# Altium PCB FPGA Board V1.PcbDoc (part 1 of 2)
Units mil, origin at the board's own origin, x right, y up, seen from the top; angles counter-clockwise.
Board outline 3460 x 2420 mil, 8 copper layers (Layer 1, Layer 2, Layer 3, Layer 4, Layer 5, Layer 6, Layer 7, Layer 8), stack 29.79 mil thick; 231 components, 352 nets, 1474 pads, 63 vias.
Unrouted connection lines stored in the file: 925.
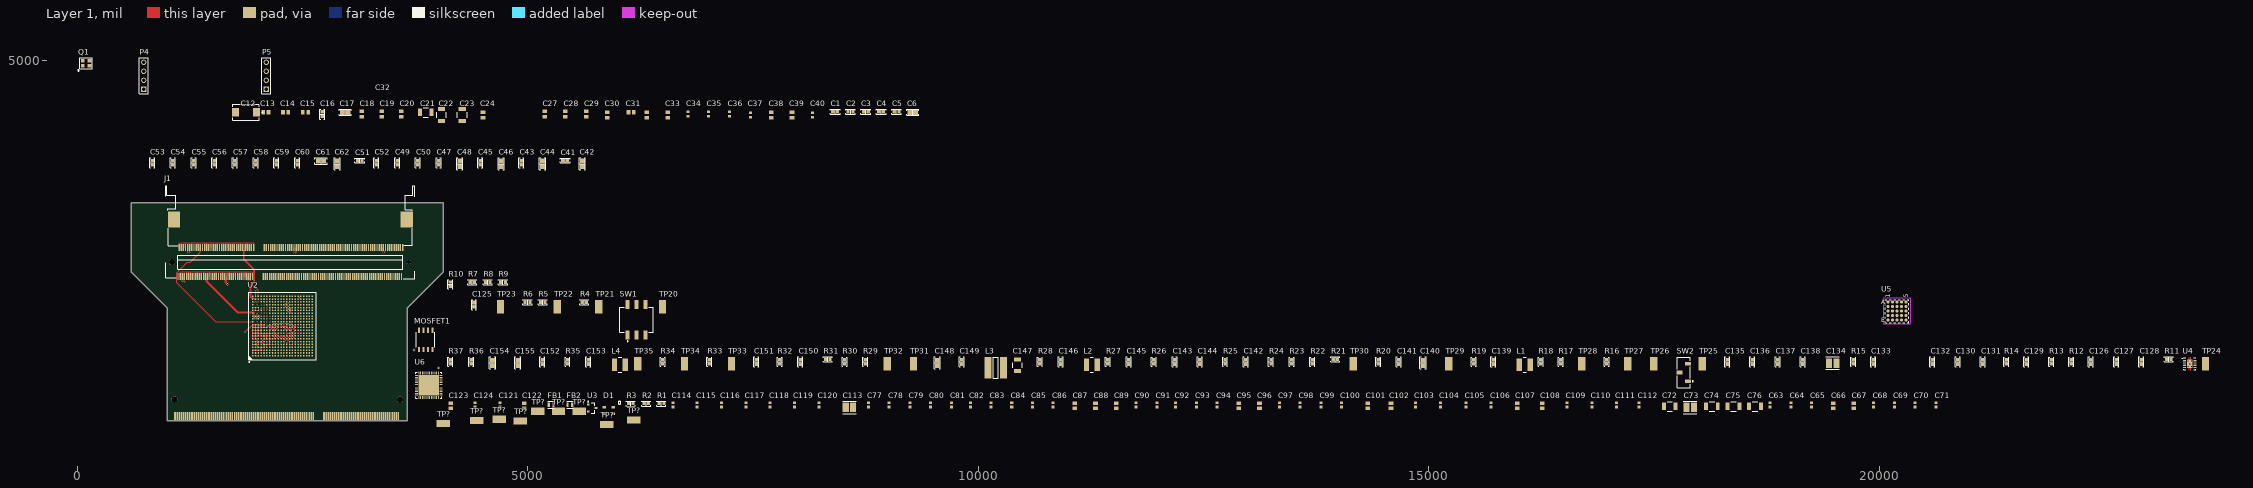
[diagram p0: Layer 1 view]
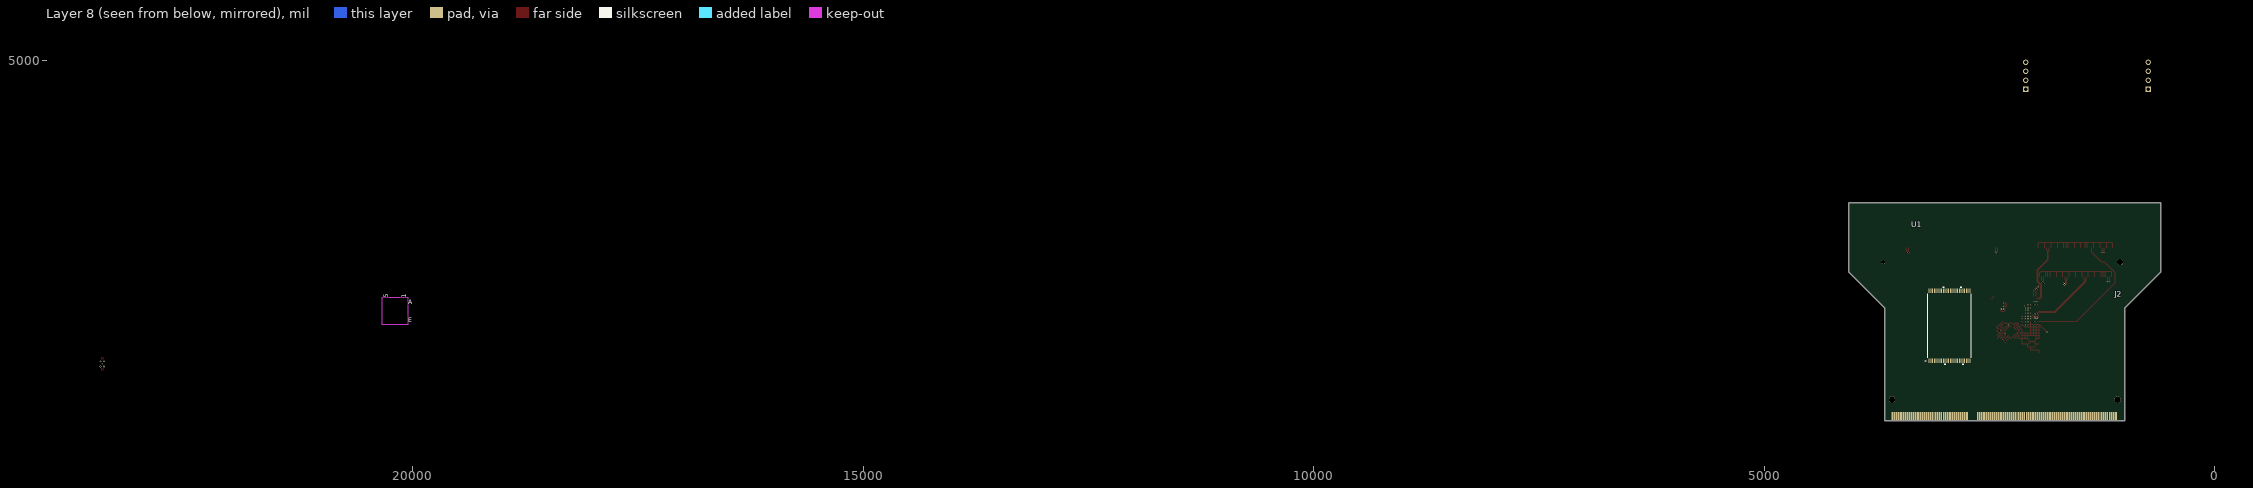
[diagram p1: Layer 8 view, seen from below]
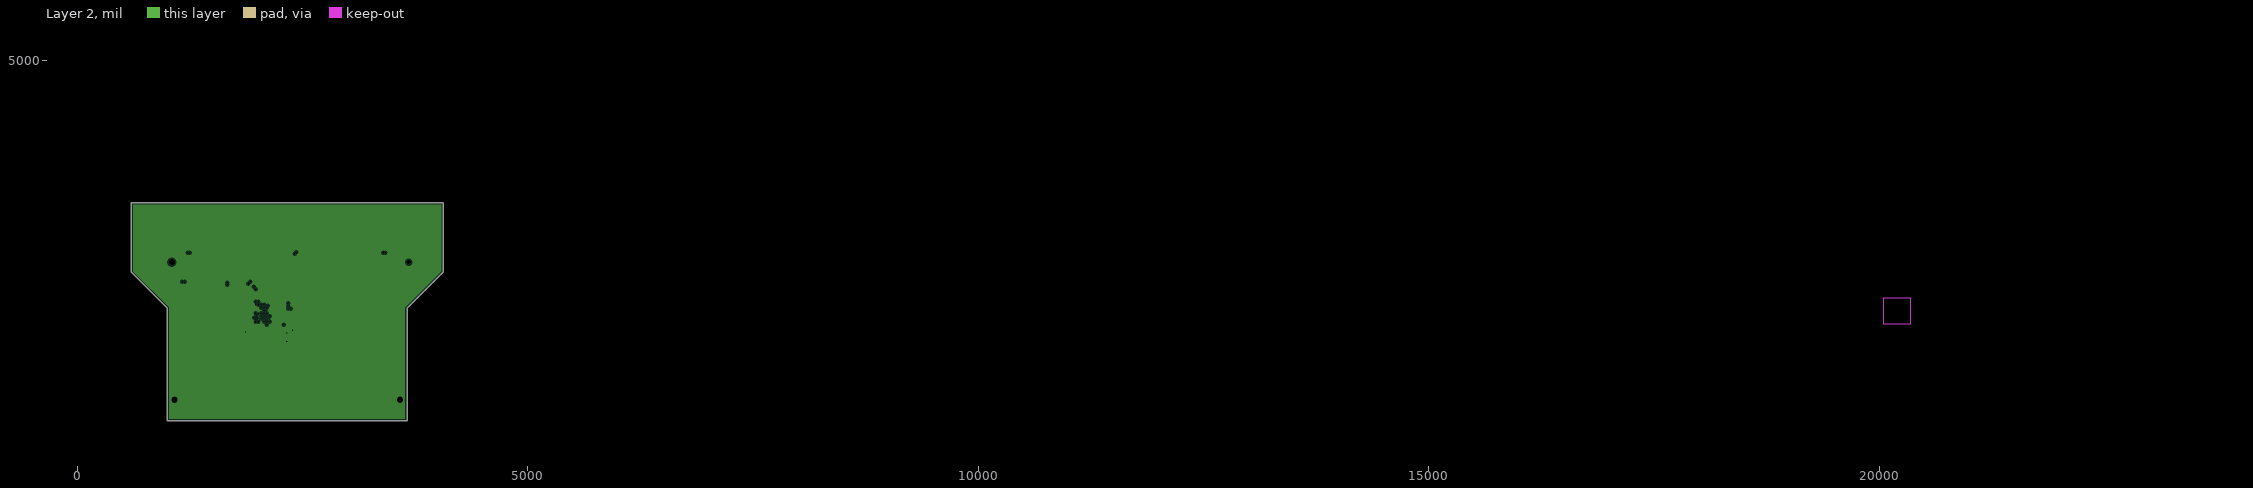
[diagram p2: Layer 2, clearances drawn from the general rule]
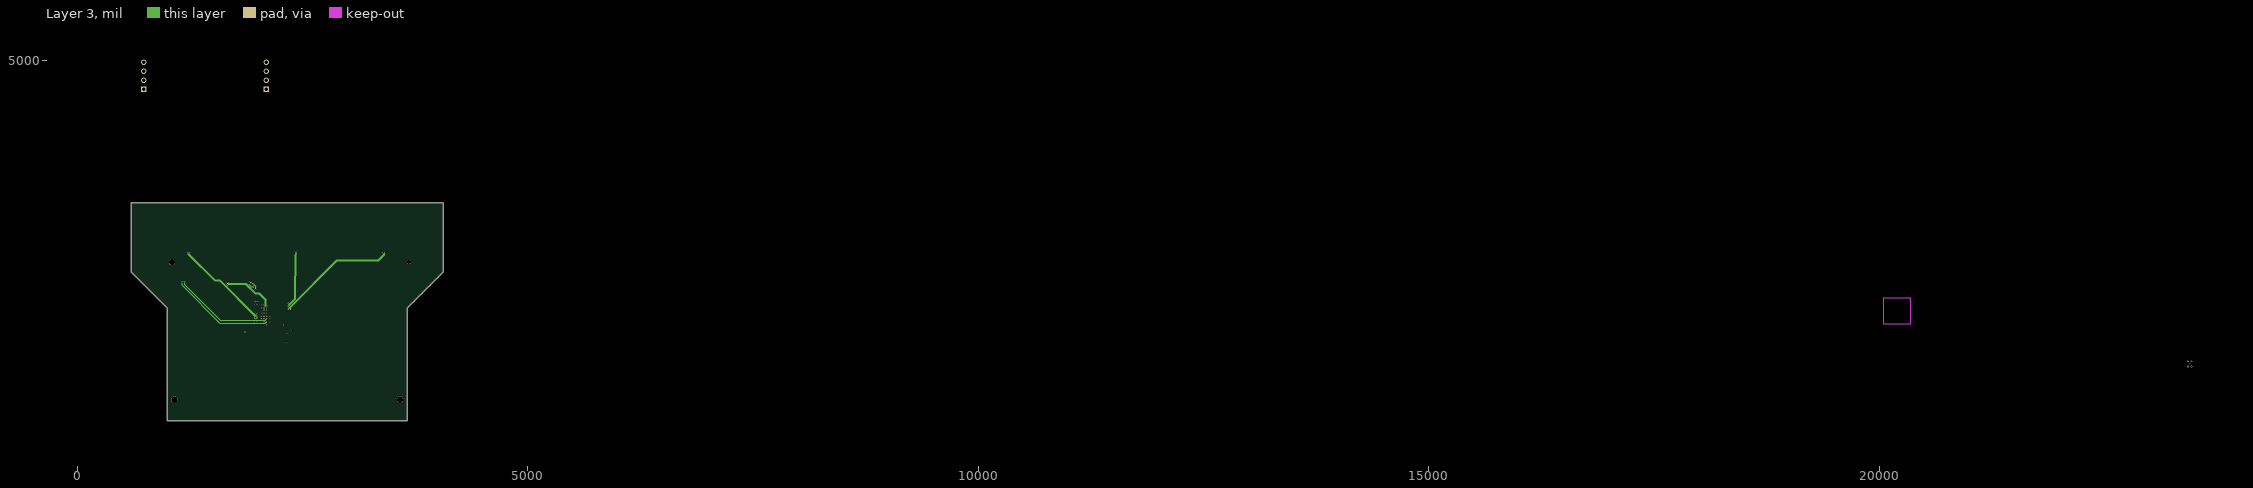
[diagram p3: Layer 3]
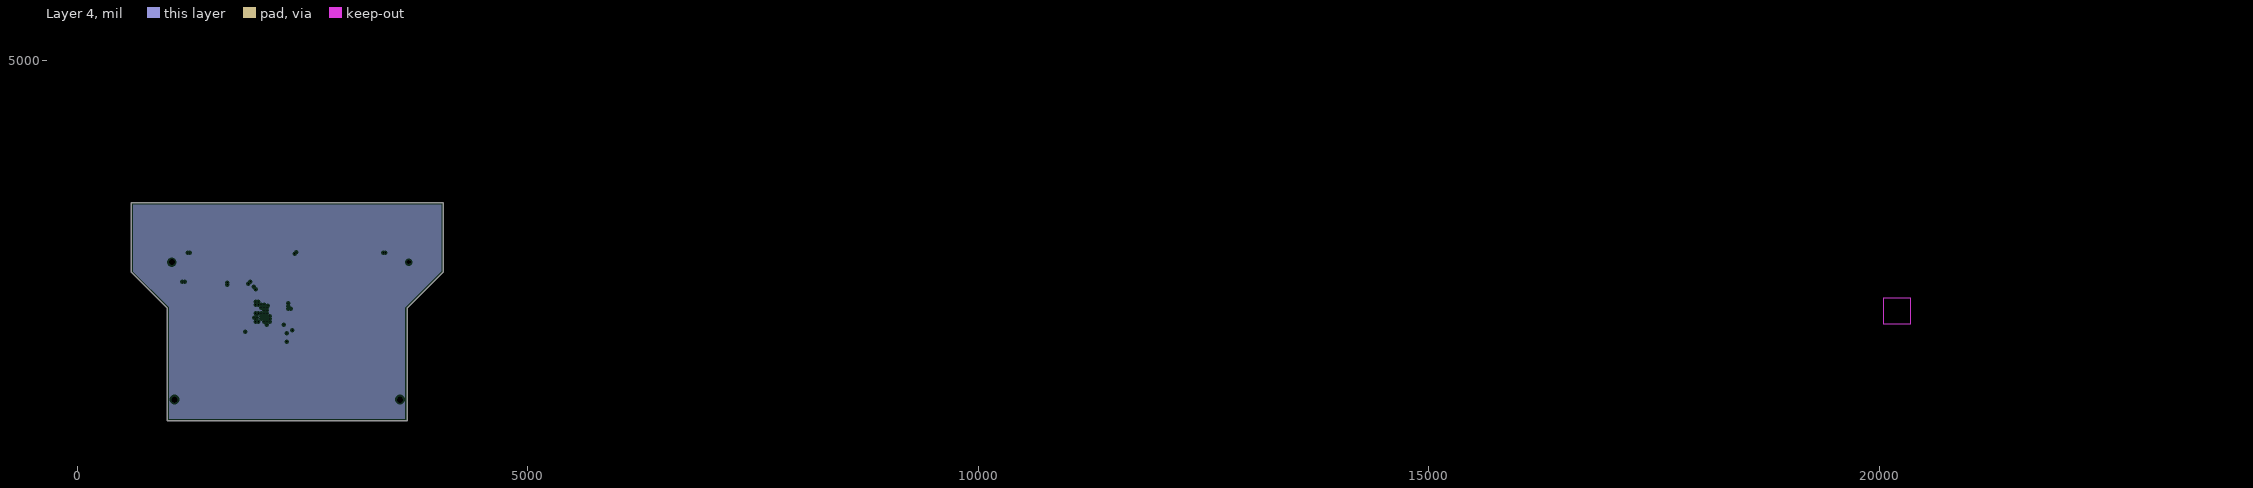
[diagram p4: Layer 4, clearances drawn from the general rule]
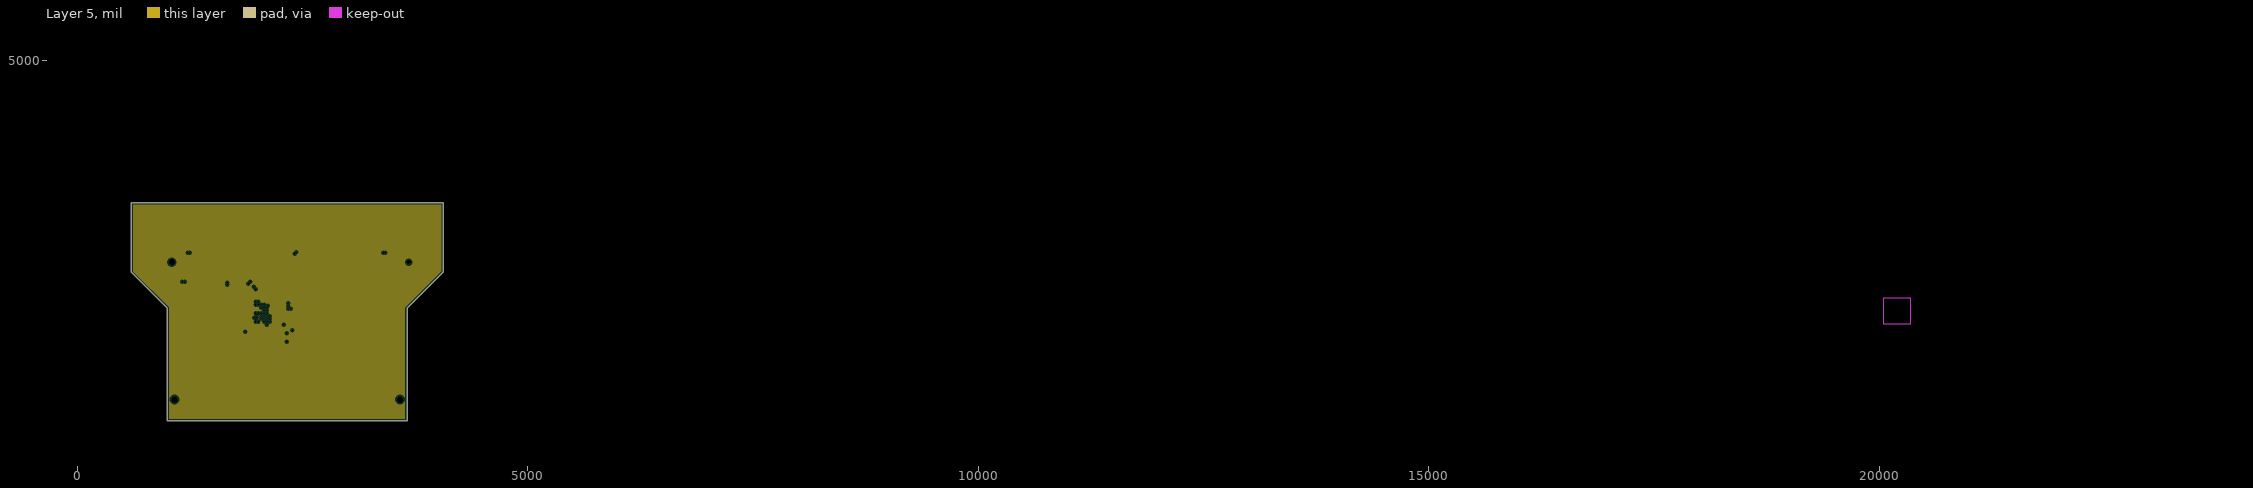
[diagram p5: Layer 5, clearances drawn from the general rule]
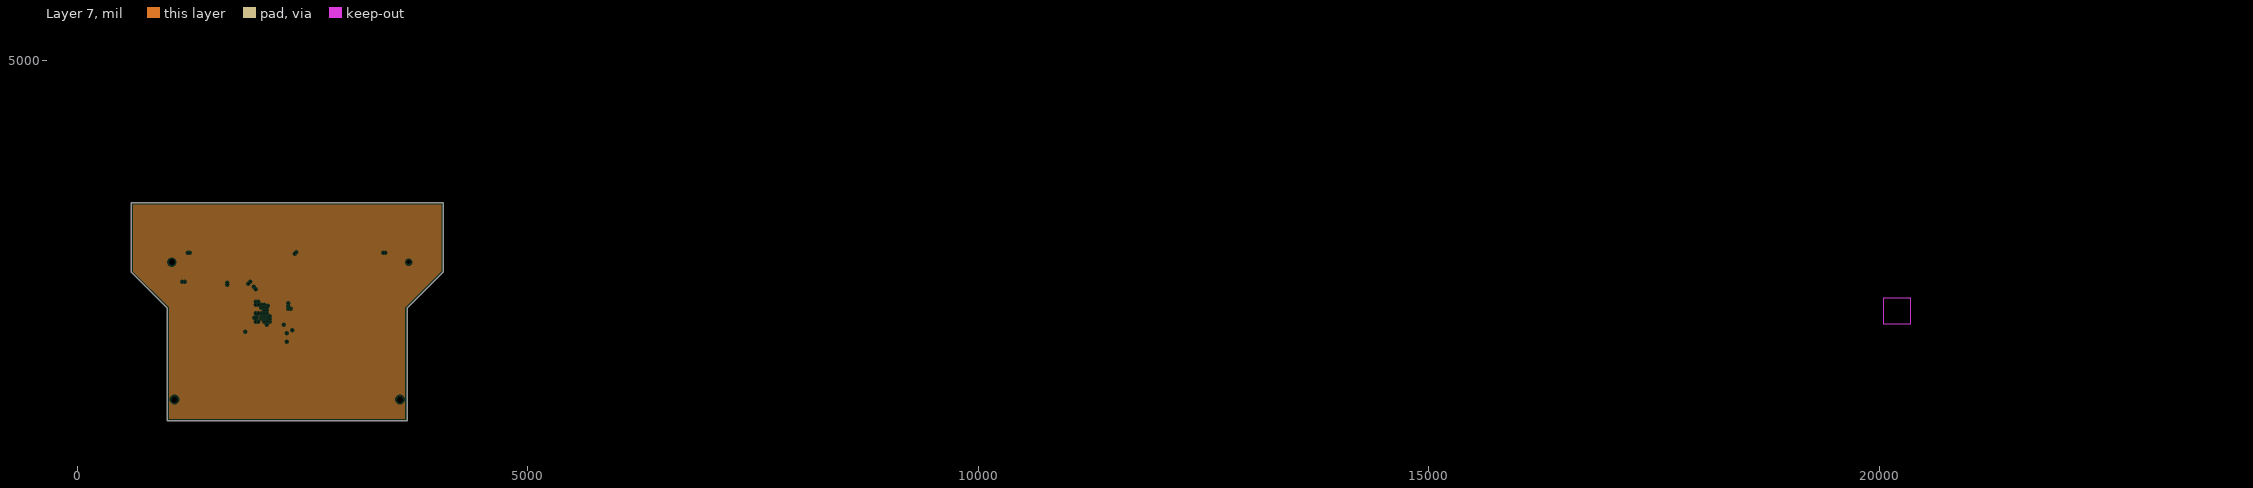
[diagram p6: Layer 7, clearances drawn from the general rule]

## Layer stack, top to bottom
Top Solder: solder mask 0.4, Solder Resist, Dk 3.5
Layer 1: signal copper 1.38
Dielectric 4: prepreg 3.01, PP-006, Dk 4.29
Layer 2: plane copper 0.6, net DM0
Dielectric 2: core 2.95, FR-4, Dk 4.29
Layer 3: signal copper 0.6
Dielectric 6: prepreg 4.28, PP-006, Dk 4.29
Layer 4: plane copper 0.6
Dielectric 1: core 2.95, PP-006, Dk 4.29
Layer 5: plane copper 0.6
Dielectric 7: prepreg 4.28, PP-006, Dk 4.29
Layer 6: signal copper 0.6
Dielectric 3: core 2.95, FR-4, Dk 4.29
Layer 7: plane copper 0.6
Dielectric 5: prepreg 3.01, PP-006, Dk 4.29
Layer 8: signal copper 1.38
Bottom Solder: solder mask 0.4, Solder Resist, Dk 3.5

## Board outline
1000,2250 600,2650 600,3420 4060,3420 4060,2650 3660,2250 3660,1000 1000,1000

## Design rules (kind name [scope] priority, off if disabled: settings)
Clearance Clearance_1 [All] p1: gap=4 ignorepadtopadclearanceinfootprint=FALSE
Clearance ArtixViaClearance [InComponent('U2') AND IsVia vs IsPad] p2: gap=7.87 ignorepadtopadclearanceinfootprint=TRUE
Clearance ArtixTrackClearance [InComponent('U2') AND IsTrack vs IsPad] p3: gap=7.5 ignorepadtopadclearanceinfootprint=TRUE
ComponentClearance [All] p1: gap=10 collisioncheckmode=3 verticalgap=10 showdistances=FALSE donotcheckwithout3dbody=TRUE
DiffPairsRouting CG [InDifferentialPair('CK0')] p1: maxlimit=5.9 minlimit=4 mostfreqgap=5.9 toplayer_maxgap=4 toplayer_prefgap=4 toplayer_minwidth=4 toplayer_maxwidth=5.54 toplayer_prefwidth=5.32 midlayer2_mingap=5.9 midlayer2_minwidth=4 midlayer2_maxwidth=4.01 midlayer2_prefwidth=3.9 midlayer3_mingap=5.9 midlayer3_minwidth=4 midlayer3_maxwidth=4.01 midlayer3_prefwidth=3.9 bottomlayer_maxgap=4 bottomlayer_prefgap=4 bottomlayer_minwidth=4 bottomlayer_maxwidth=5.54 bottomlayer_prefwidth=5.32 impedanceprofiledriven=TRUE impedanceprofileid={D4C1BE84-6531-4793-9445-CC9C55B29344} impedanceprofilevalue=80.000000 maxuncoupledlength=500
DiffPairsRouting DQS [InDifferentialPairClass('All Differential Pairs')] p2: maxlimit=5.88 minlimit=4 mostfreqgap=6.88 toplayer_maxgap=4 toplayer_prefgap=4 toplayer_minwidth=5.54 toplayer_maxwidth=5.54 toplayer_prefwidth=5.32 midlayer2_mingap=5.88 midlayer2_minwidth=4 midlayer2_maxwidth=4 midlayer2_prefwidth=4 midlayer3_mingap=5.88 midlayer3_minwidth=4 midlayer3_maxwidth=4 midlayer3_prefwidth=4 bottomlayer_maxgap=4 bottomlayer_prefgap=4 bottomlayer_minwidth=5.54 bottomlayer_maxwidth=5.54 bottomlayer_prefwidth=5.32 impedanceprofiledriven=TRUE impedanceprofileid={747DD5FD-BF27-4212-9AA4-2DDAB84F257A} impedanceprofilevalue=80.000000 maxuncoupledlength=500
Length [InNetClass('CG') Or InNetClass('DG_0') Or InNetClass('DG_1') Or InNetClass('DG_2') Or InNetClass('DG_3') Or InNetClass('DG_4') Or InNetClass('DG_5') Or InNetClass('DG_6') Or InNetClass('DG_7')] p1: maxlimit=4000 minlimit=1500
MatchedLengths "MatchedLengths CG" [InNetClass('CG')] p1: tolerance=4 checknetsindiffpair=FALSE checkdiffpairvsdiffpair=TRUE checkxsignals=TRUE checkothers=TRUE
MatchedLengths "MatchedLengths DG0" [InNetClass('DG_0')] p2: tolerance=4 checknetsindiffpair=FALSE checkdiffpairvsdiffpair=TRUE checkxsignals=TRUE checkothers=TRUE
MatchedLengths "MatchedLengths DG5" [InNetClass('DG_5')] p3: tolerance=4 checknetsindiffpair=FALSE checkdiffpairvsdiffpair=TRUE checkxsignals=TRUE checkothers=TRUE
MatchedLengths "MatchedLengths DG1" [InNetClass('DG_1')] p4: tolerance=4 checknetsindiffpair=FALSE checkdiffpairvsdiffpair=TRUE checkxsignals=TRUE checkothers=TRUE
MatchedLengths "MatchedLengths DG2" [InNetClass('DG_2')] p5: tolerance=4 checknetsindiffpair=FALSE checkdiffpairvsdiffpair=TRUE checkxsignals=TRUE checkothers=TRUE
MatchedLengths "MatchedLengths DG3" [InNetClass('DG_3')] p6: tolerance=4 checknetsindiffpair=FALSE checkdiffpairvsdiffpair=TRUE checkxsignals=TRUE checkothers=TRUE
MatchedLengths "MatchedLengths DG4" [InNetClass('DG_0')] p7: tolerance=4 checknetsindiffpair=FALSE checkdiffpairvsdiffpair=TRUE checkxsignals=TRUE checkothers=TRUE
MatchedLengths "MatchedLengths DG6" [InNetClass('DG_6')] p8: tolerance=4 checknetsindiffpair=FALSE checkdiffpairvsdiffpair=TRUE checkxsignals=TRUE checkothers=TRUE
MatchedLengths "MatchedLengths DG7" [InNetClass('DG_7')] p9: tolerance=4 checknetsindiffpair=FALSE checkdiffpairvsdiffpair=TRUE checkxsignals=TRUE checkothers=TRUE
MaxMinImpedance [InNetClass('CG')] p1: minimum=35.00 maximum=45.00
PlaneClearance [All] p1: clearance=20
PlaneConnect [All] p1: planeconnectstyle=Relief reliefexpansion=20 reliefentries=4 reliefconductorwidth=10 reliefairgap=10
PolygonConnect [All] p1: connectstyle=Relief reliefconductorwidth=10 reliefentries=4 polygonreliefangle="90 Angle" airgapwidth=10
RoutingVias [All] p1: holewidth=10 width=18 viastyle="Through Hole" minholewidth=9.84 minwidth=15.75 maxholewidth=28 maxwidth=50
SolderMaskExpansion [All] p1: expansion=4 istentingtop=TRUE
Width "Width DG0" [InNetClass('DG_0')] p1: maxlimit=7.7 minlimit=4 preferedwidth=7.33 midlayer2_maxwidth=4.92 midlayer2_prefwidth=4.19 midlayer3_maxwidth=4.92 midlayer3_prefwidth=4.19 impedanceprofiledriven=TRUE impedanceprofileid={962ABFC8-2729-48D3-94B5-690526E8E266} impedanceprofilevalue=40.000000 minimp=50.000000 maximp=50.000000 favimp=50.000000
Width "Width DG1" [InNetClass('DG_1')] p2: maxlimit=7.7 minlimit=4 preferedwidth=7.33 midlayer2_maxwidth=4.92 midlayer2_prefwidth=4.19 midlayer3_maxwidth=4.92 midlayer3_prefwidth=4.19 impedanceprofiledriven=TRUE impedanceprofileid={962ABFC8-2729-48D3-94B5-690526E8E266} impedanceprofilevalue=40.000000 minimp=50.000000 maximp=50.000000 favimp=50.000000
Width "Width DG2" [InNetClass('DG_2')] p3: maxlimit=7.7 minlimit=4 preferedwidth=7.33 midlayer2_maxwidth=4.92 midlayer2_prefwidth=4.19 midlayer3_maxwidth=4.92 midlayer3_prefwidth=4.19 impedanceprofiledriven=TRUE impedanceprofileid={962ABFC8-2729-48D3-94B5-690526E8E266} impedanceprofilevalue=40.000000 minimp=50.000000 maximp=50.000000 favimp=50.000000
Width "Width DG3" [InNetClass('DG_3')] p4: maxlimit=7.7 minlimit=4 preferedwidth=7.33 midlayer2_maxwidth=4.92 midlayer2_prefwidth=4.19 midlayer3_maxwidth=4.92 midlayer3_prefwidth=4.19 impedanceprofiledriven=TRUE impedanceprofileid={962ABFC8-2729-48D3-94B5-690526E8E266} impedanceprofilevalue=40.000000 minimp=50.000000 maximp=50.000000 favimp=50.000000
Width "Width DG4" [InNetClass('DG_4')] p5: maxlimit=7.7 minlimit=4 preferedwidth=7.33 midlayer2_maxwidth=4.92 midlayer2_prefwidth=4.19 midlayer3_maxwidth=4.92 midlayer3_prefwidth=4.19 impedanceprofiledriven=TRUE impedanceprofileid={962ABFC8-2729-48D3-94B5-690526E8E266} impedanceprofilevalue=40.000000 minimp=50.000000 maximp=50.000000 favimp=50.000000
Width "Width DG5" [InNetClass('DG_5')] p6: maxlimit=7.7 minlimit=4 preferedwidth=7.33 midlayer2_maxwidth=4.92 midlayer2_prefwidth=4.19 midlayer3_maxwidth=4.92 midlayer3_prefwidth=4.19 impedanceprofiledriven=TRUE impedanceprofileid={962ABFC8-2729-48D3-94B5-690526E8E266} impedanceprofilevalue=40.000000 minimp=50.000000 maximp=50.000000 favimp=50.000000
Width "Width DG6" [InNetClass('DG_6')] p7: maxlimit=7.7 minlimit=4 preferedwidth=7.33 midlayer2_maxwidth=4.92 midlayer2_prefwidth=4.19 midlayer3_maxwidth=4.92 midlayer3_prefwidth=4.19 impedanceprofiledriven=TRUE impedanceprofileid={962ABFC8-2729-48D3-94B5-690526E8E266} impedanceprofilevalue=40.000000 minimp=50.000000 maximp=50.000000 favimp=50.000000
Width "Width DG7" [InNetClass('DG_7')] p8: maxlimit=7.7 minlimit=4 preferedwidth=7.33 midlayer2_maxwidth=4.92 midlayer2_prefwidth=4.19 midlayer3_maxwidth=4.92 midlayer3_prefwidth=4.19 impedanceprofiledriven=TRUE impedanceprofileid={962ABFC8-2729-48D3-94B5-690526E8E266} impedanceprofilevalue=40.000000 minimp=50.000000 maximp=50.000000 favimp=50.000000
Width "Width CG" [InNetClass('CG')] p9: maxlimit=7.7 minlimit=4 preferedwidth=7.33 midlayer2_maxwidth=4.92 midlayer2_prefwidth=4.19 midlayer3_maxwidth=4.92 midlayer3_prefwidth=4.19 impedanceprofiledriven=TRUE impedanceprofileid={962ABFC8-2729-48D3-94B5-690526E8E266} impedanceprofilevalue=40.000000 minimp=50.000000 maximp=50.000000 favimp=50.000000
Width [All] p10: maxlimit=50 minlimit=4 preferedwidth=10
26 further rules are at their usual default settings.

## Classes and differential pairs
component class Designator: C126 C127 C128 C129 C130 C131 C132 C133 C134 C135 C136 C137 C138 C139 C140 C141 C142 C143 C144 C145 C146 C147 C148 C149 C150 C151 C152 C153 C154 C155 L1 L2 L3 L4 MOSFET1 R11 R12 R13 R14 R15 R16 R17 R18 R19 R20 R21 R22 R23 R24 R25 R26 R27 R28 R29 R30 R31 R32 R33 R34 R35 R36 R37 SW2 TP24 TP25 TP26 TP27 TP28 TP29 TP30 TP31 TP32 TP33 TP34 TP35 TP? U4 U5 U6
net class DG_7: DQ56 DQ57 DQ58 DQ59 DQ60 DQ61 DQ62 DQ63 DQS7_N DQS7_P
net class DG_6: DQ48 DQ49 DQ50 DQ51 DQ52 DQ53 DQ54 DQ55 DQS6_N DQS6_P
net class DG_5: DQ40 DQ41 DQ42 DQ43 DQ44 DQ45 DQ46 DQ47 DQS5_N DQS5_P
net class DG_4: DQ32 DQ33 DQ34 DQ35 DQ36 DQ37 DQ38 DQ39 DQS4_N DQS4_P
net class DG_3: DQ24 DQ25 DQ26 DQ27 DQ28 DQ29 DQ30 DQ31 DQS3_N DQS3_P
net class DG_2: DQ16 DQ17 DQ18 DQ19 DQ20 DQ21 DQ22 DQ23 DQS2_N DQS2_P
net class DG_1: DQ8 DQ9 DQ10 DQ11 DQ12 DQ13 DQ14 DQ15 DQS1_N DQS1_P
net class DG_0: DQ0 DQ1 DQ2 DQ3 DQ4 DQ5 DQ6 DQ7 DQS0_N DQS0_P
net class CG: A0 A1 A2 A3 A4 A5 A6 A7 A8 A9 A10 A11 A12 A13 A14 A15 CAS CK0_N CK0_P CK1_N CK1_P CKE0 CKE1 CS0 CS1 EVENT ODT0 ODT1 RAS RESET WE
net class SWL[4..0]: GPIO24 GPIO25 GPIO26 GPIO27 GPIO28
net class SWH[5..0]: GPIO29 GPIO30 GPIO31 GPIO32 GPIO33 GPIO34
net class R[7..0]: GPIO0 GPIO1 GPIO2 GPIO3 GPIO4 GPIO5 GPIO6 GPIO7
net class LSG[2..0]: GPIO35 GPIO36 GPIO37
net class HSG[3..0]: GPIO38 GPIO39 GPIO40 GPIO41
net class GPIO[0..118]: B0 B1 B2 B3 B4 B5 B6 B7 G0 G1 G2 G3 G4 G5 G6 G7 GPIO0 GPIO1 GPIO2 GPIO3 GPIO4 GPIO5 GPIO6 GPIO7 GPIO24 GPIO25 GPIO26 GPIO27 GPIO28 GPIO29 GPIO30 GPIO31 GPIO32 GPIO33 GPIO34 GPIO35 GPIO36 GPIO37 GPIO38 GPIO39 GPIO40 GPIO41 GPIO42 GPIO43 GPIO44 GPIO45 GPIO46 GPIO47 GPIO48 GPIO49 GPIO50 GPIO51 GPIO52 GPIO53 GPIO54 GPIO55 GPIO56 GPIO57 GPIO58 GPIO59 GPIO60 GPIO61 GPIO62 GPIO63 GPIO64 GPIO65 GPIO66 GPIO67 GPIO68 GPIO69 GPIO70 GPIO71 GPIO72 GPIO73 GPIO74 GPIO75 GPIO76 GPIO77 GPIO78 GPIO79 GPIO80 GPIO81 GPIO82 GPIO83 GPIO84 GPIO85 GPIO86 GPIO87 GPIO88 GPIO89 GPIO90 GPIO91 GPIO92 GPIO93 GPIO94 GPIO95 GPIO96 GPIO97 GPIO98 GPIO99 GPIO100 GPIO101 GPIO102 GPIO103 GPIO104 GPIO105 GPIO106 GPIO107 GPIO108 GPIO109 GPIO110 GPIO111 GPIO112 GPIO113 GPIO114 GPIO115 GPIO116 GPIO117 GPIO118
net class G[7..0]: G0 G1 G2 G3 G4 G5 G6 G7
net class EIO[0..30]: EIO0 EIO1 EIO2 EIO3 EIO4 EIO5 EIO6 EIO7 EIO8 EIO9 EIO10 EIO11 EIO12 EIO13 EIO14 EIO15 EIO16 EIO17 EIO18 EIO19 EIO20 EIO21 EIO22 EIO23 EIO24 EIO25 EIO26 EIO27 EIO28 EIO29 EIO30
net class DQ[63..0]: DQ0 DQ1 DQ2 DQ3 DQ4 DQ5 DQ6 DQ7 DQ8 DQ9 DQ10 DQ11 DQ12 DQ13 DQ14 DQ15 DQ16 DQ17 DQ18 DQ19 DQ20 DQ21 DQ22 DQ23 DQ24 DQ25 DQ26 DQ27 DQ28 DQ29 DQ30 DQ31 DQ32 DQ33 DQ34 DQ35 DQ36 DQ37 DQ38 DQ39 DQ40 DQ41 DQ42 DQ43 DQ44 DQ45 DQ46 DQ47 DQ48 DQ49 DQ50 DQ51 DQ52 DQ53 DQ54 DQ55 DQ56 DQ57 DQ58 DQ59 DQ60 DQ61 DQ62 DQ63
net class BA[2..0]: BA0 BA1 BA2
net class B[7..0]: B0 B1 B2 B3 B4 B5 B6 B7
net class A[15..0]: A0 A1 A2 A3 A4 A5 A6 A7 A8 A9 A10 A11 A12 A13 A14 A15
component class "SODIMM Motherboard Connector": J2
component class "RAM (DDR3L)": C41 C42 C43 C44 C45 C46 C47 C48 C49 C50 C51 C52 C53 C54 C55 C56 C57 C58 C59 C60 C61 C62 J1 R7 R8 R9 R10
component class "FPGA Board Top": C125 P4 P5 Q1 R4 R5 R6 SW1 TP20 TP21 TP22 TP23
component class "A200T FPGA": C1 C2 C3 C4 C5 C6 C12 C13 C14 C15 C16 C17 C18 C19 C20 C21 C22 C23 C24 C27 C28 C29 C30 C31 C32 C33 C34 C35 C36 C37 C38 C39 C40 C63 C64 C65 C66 C67 C68 C69 C70 C71 C72 C73 C74 C75 C76 C77 C78 C79 C80 C81 C82 C83 C84 C85 C86 C87 C88 C89 C90 C91 C92 C93 C94 C95 C96 C97 C98 C99 C100 C101 C102 C103 C104 C105 C106 C107 C108 C109 C110 C111 C112 C113 C114 C115 C116 C117 C118 C119 C120 C121 C122 C123 C124 D1 FB1 FB2 R1 R2 R3 U1 U2 U3
differential pair CK1: +CK1_P -CK1_N
differential pair DQS7: +DQS7_P -DQS7_N
differential pair DQS6: +DQS6_P -DQS6_N
differential pair DQS5: +DQS5_P -DQS5_N
differential pair DQS4: +DQS4_P -DQS4_N
differential pair DQS3: +DQS3_P -DQS3_N
differential pair DQS2: +DQS2_P -DQS2_N
differential pair DQS1: +DQS1_P -DQS1_N
differential pair DQS0: +DQS0_P -DQS0_N
differential pair CK0: +CK0_P -CK0_N
